# KiCad board prototype.kicad_pcb
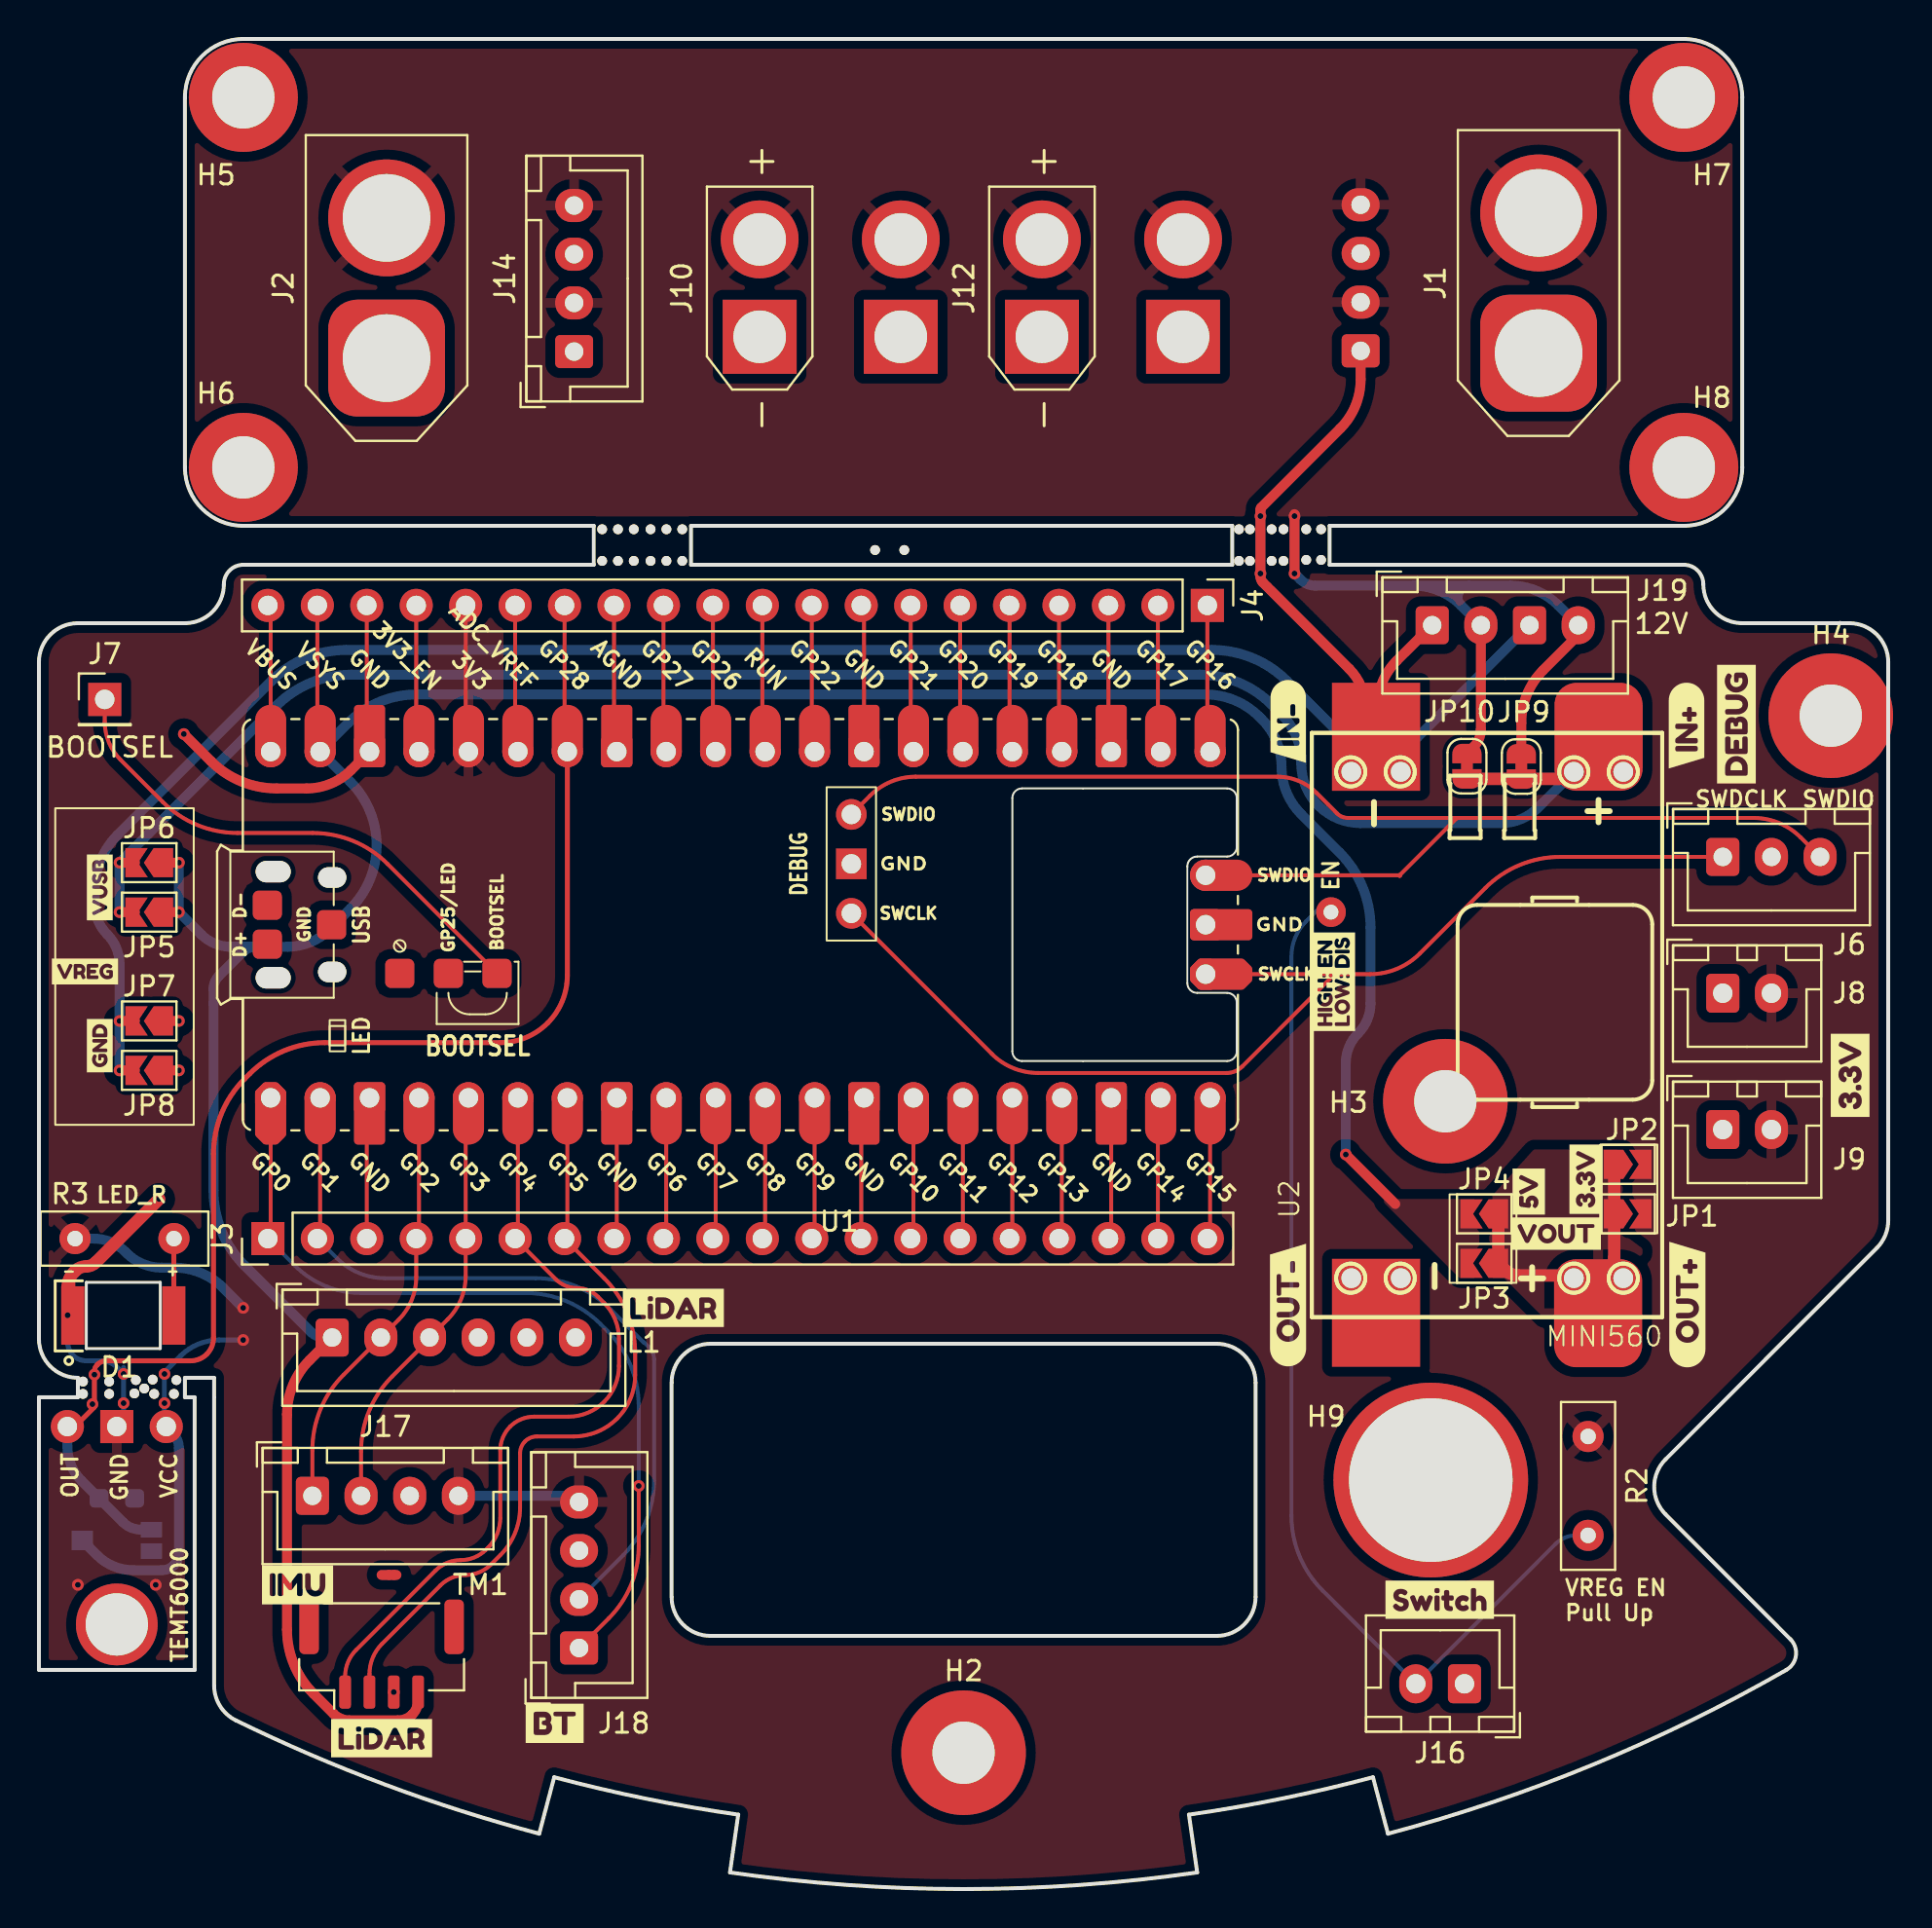
[diagram p0: board, top side]
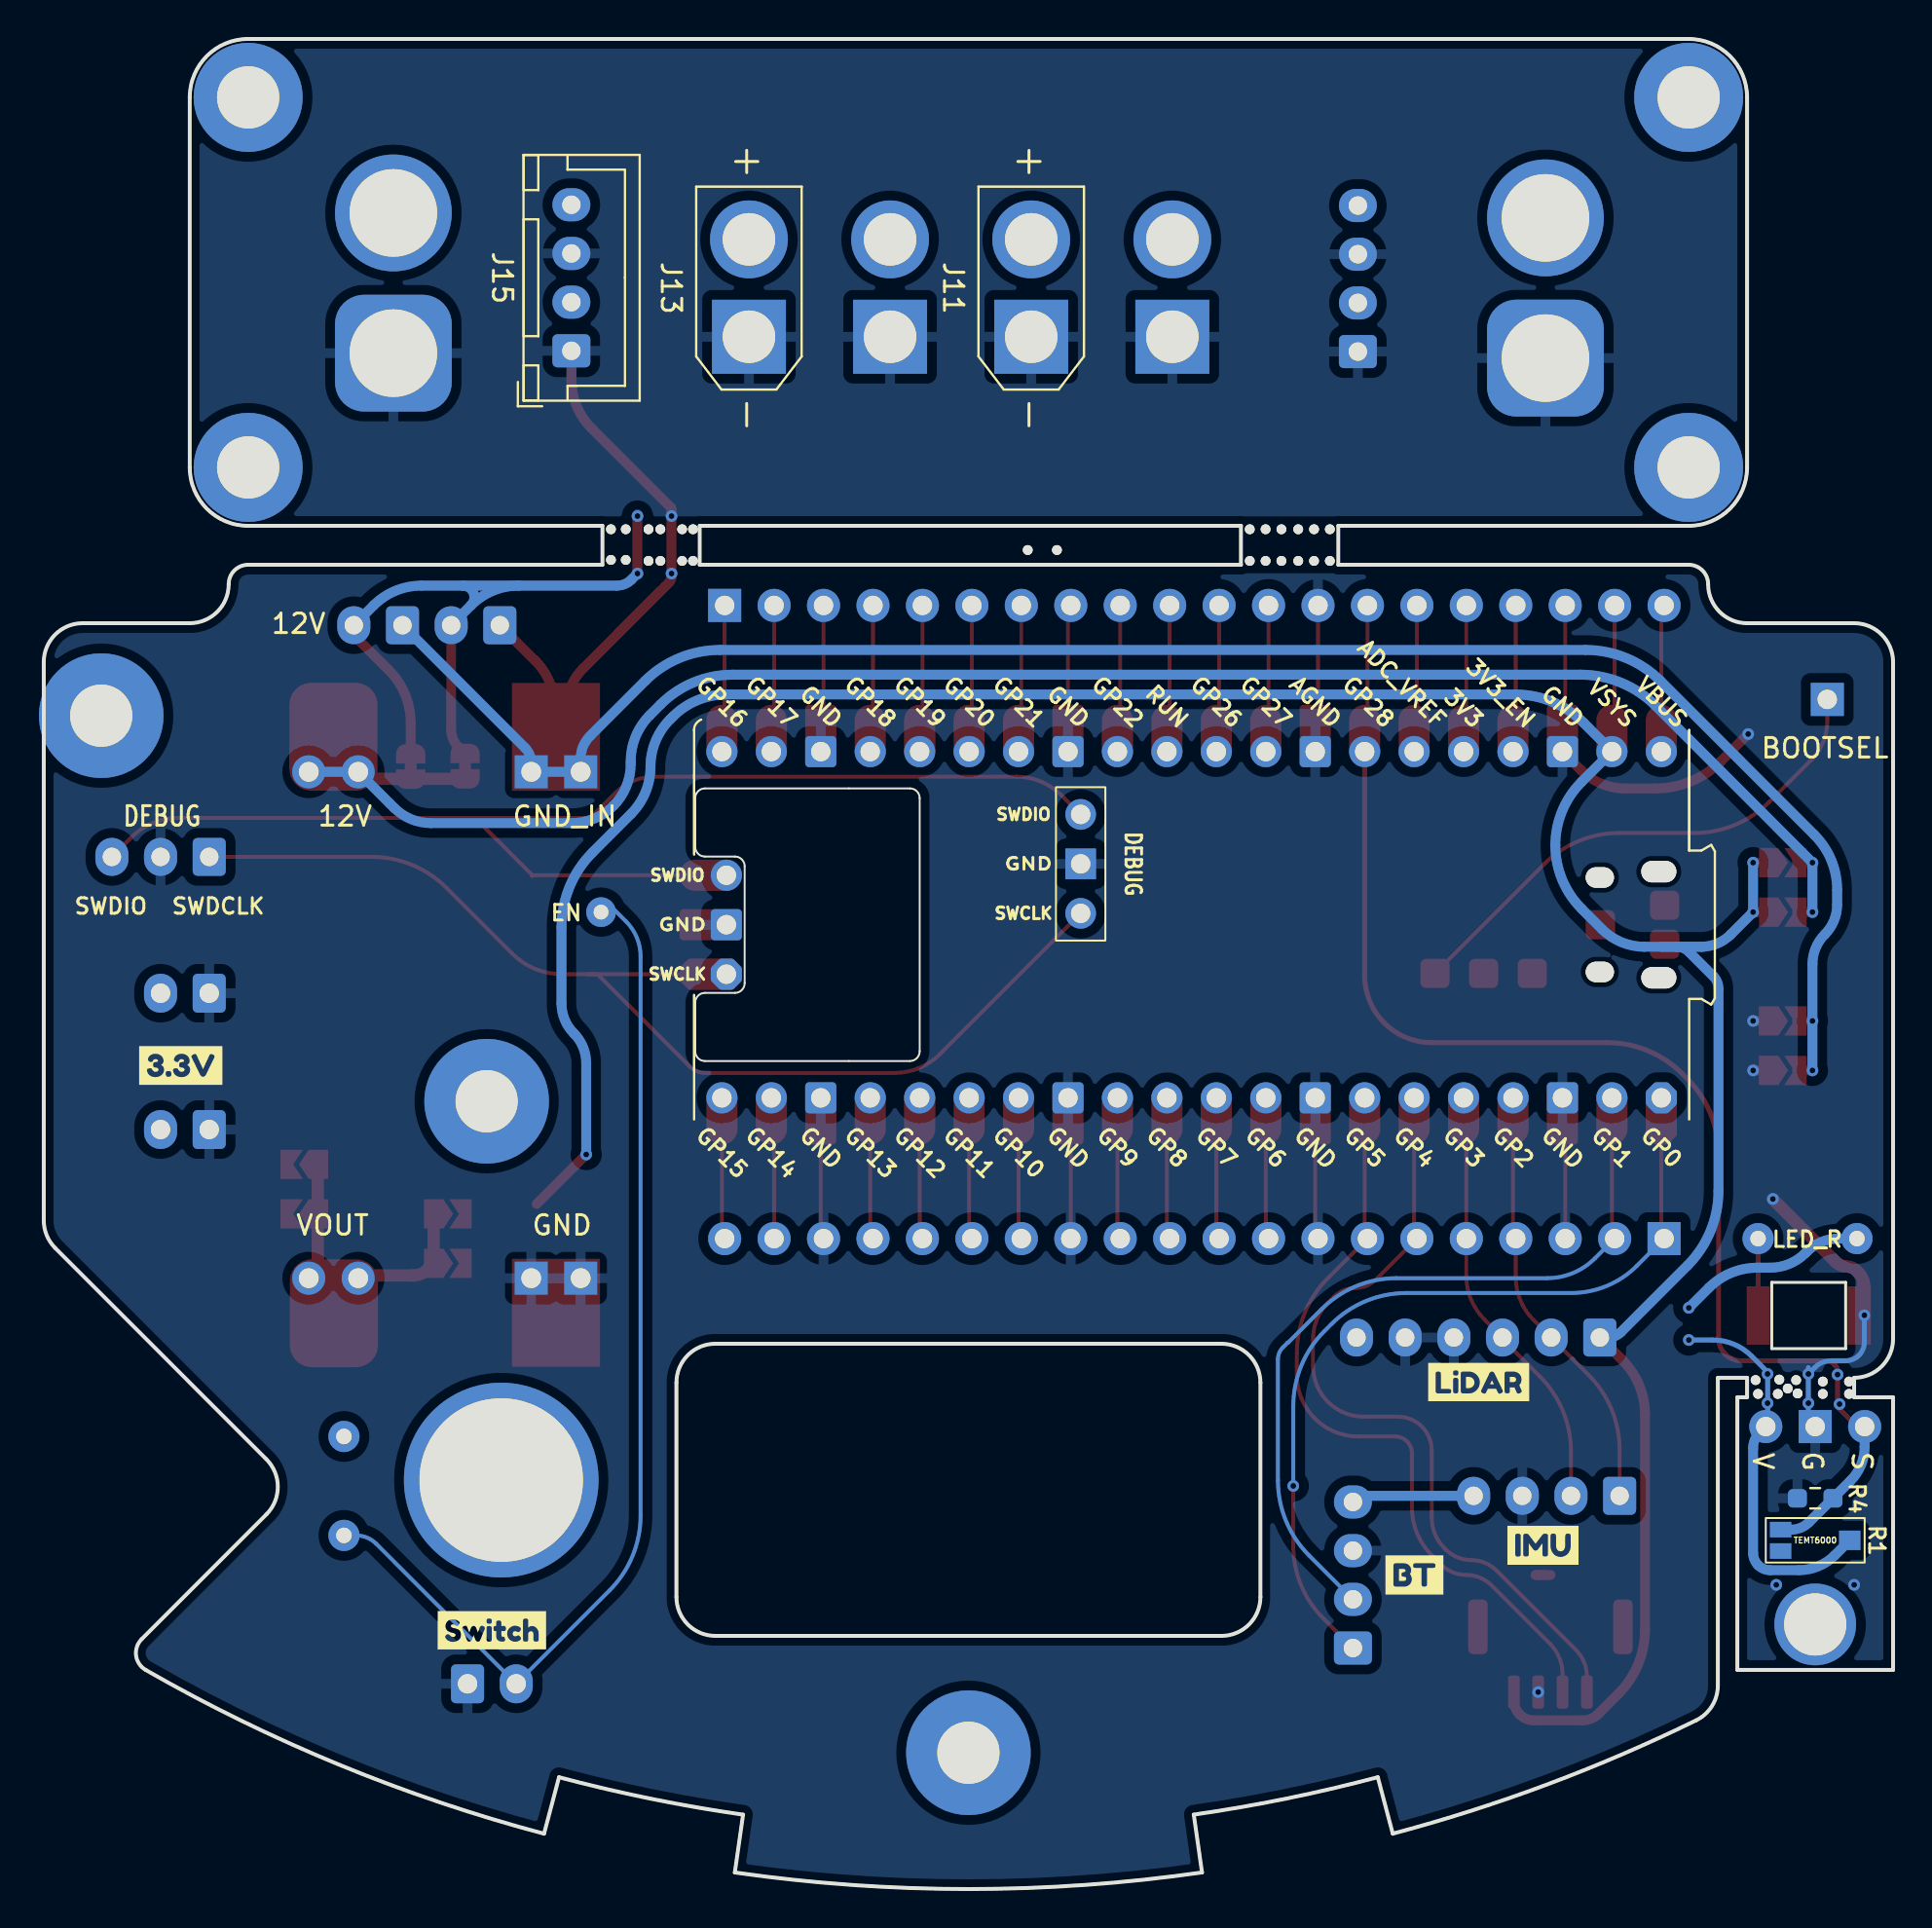
[diagram p1: board, bottom side, seen from below]

Outline 95 x 95 mm; copper layers: Top, Bottom. Coordinates in mm from the lower left corner of the outline.
Outline path: 0,63 0,28.26 arc(0.59,26.84) 2,26.25 2,25.25 0,25.25 0,11.25 8,11.25 8,25.25 7.5,25.25 7.5,26.25 9,26.25 9,10.45 arc(9.3,9.4) 10.12,8.66 arc(17.77,5.37) 25.7,2.84 26.47,5.74 arc(31.17,4.64) 35.92,3.82 35.5,0.85 arc(47.5,0) 59.5,0.85 59.08,3.82 arc(63.83,4.64) 68.53,5.74 69.3,2.84 arc(79.81,6.38) 89.76,11.25 arc(90.26,11.99) 89.97,12.83 83.56,19.24 arc(82.98,20.65) 83.57,22.07 94.42,32.92 arc(94.85,33.57) 95,34.33 95,63 arc(94.41,64.41) 93,65 87.5,65 arc(86.09,65.59) 85.5,67 arc(85.21,67.71) 84.5,68 66.3,68 66.3,70 84.5,70 arc(86.62,70.88) 87.5,73 87.5,92 arc(86.62,94.12) 84.5,95 10.5,95 arc(8.38,94.12) 7.5,92 7.5,73 arc(8.38,70.88) 10.5,70 28.5,70 28.5,68 10.5,68 arc(9.79,67.71) 9.5,67 arc(8.91,65.59) 7.5,65 2,65 arc(0.59,64.41) 0,63 ; 32.5,26 arc(33.09,27.41) 34.5,28 60.5,28 arc(61.91,27.41) 62.5,26 62.5,15 arc(61.91,13.59) 60.5,13 34.5,13 arc(33.09,13.59) 32.5,15 32.5,26 ; 33.5,70 33.5,68 61.3,68 61.3,70 33.5,70

## Placement (name value [footprint] x y rotation side)
D1  LED  [LED-6028]  1.74 29.45 0 top
H1  MountingHole-M3-6.4  [MountingHole_3.2mm_M3_Pad#2]  4 13.59 0 top
H2  MountingHole-M3-6.4  [MountingHole_3.2mm_M3_Pad]  47.5 7 0 top
H3  MountingHole-M3-6.4  [MountingHole_3.2mm_M3_Pad]  72.25 40.45 0 top
H4  MountingHole-M3-6.4  [MountingHole_3.2mm_M3_Pad]  92.05 60.25 0 top
H5  MountingHole-M3-5.6  [MountingHole_3.2mm_M3_DIN965_Pad]  10.5 92 0 top
H6  MountingHole-M3-5.6  [MountingHole_3.2mm_M3_DIN965_Pad]  10.5 73 0 top
H7  MountingHole-M3-5.6  [MountingHole_3.2mm_M3_DIN965_Pad]  84.5 92 0 top
H8  MountingHole-M3-5.6  [MountingHole_3.2mm_M3_DIN965_Pad]  84.5 73 0 top
H9  SwitchHole-M8  [MountingHole_8.4mm_M8_Pad]  71.5 21 0 top
J1  XT60  [AMASS_XT60-M_1x02_P7.20mm_Vertical]  77.04 78.87 90 top
J2  XT60  [AMASS_XT60-M_1x02_P7.20mm_Vertical]  17.86 78.61 90 top
J3  Conn_01x20_Pin  [PinHeader_1x20_P2.54mm_Vertical]  11.76 33.4 90 top
J4  Conn_01x20_Pin  [PinHeader_1x20_P2.54mm_Vertical]  60.02 65.91 270 top
J5  Conn_01x03_Pin  [PinHeader_1x03_P2.54mm_Vertical]  6.54 23.75 90 bottom
J6  JST_XH_3P  [JST_XH_B3B-XH-A_1x03_P2.50mm_Vertical]  86.5 53 0 top
J7  Conn_01x01_Pin  [PinHeader_1x01_P2.54mm_Vertical]  3.38 61.09 0 top
J8  JST_XH_01x02  [JST_XH_B2B-XH-A_1x02_P2.50mm_Vertical]  86.5 46 0 top
J9  JST_XH_01x02  [JST_XH_B2B-XH-A_1x02_P2.50mm_Vertical]  86.5 39 0 top
J10  XT30  [AMASS_XT30U-F_1x02_P5.0mm_Vertical]  37.02 79.71 90 top
J11  XT30  [AMASS_XT30U-F_1x02_P5.0mm_Vertical]  44.27 79.71 90 bottom
J12  XT30  [AMASS_XT30U-F_1x02_P5.0mm_Vertical]  51.52 79.71 90 top
J13  XT30  [AMASS_XT30U-F_1x02_P5.0mm_Vertical]  58.77 79.71 90 bottom
J14  JST_XH_4P  [JST_XH_B4B-XH-A_1x04_P2.50mm_Vertical#2]  27.49 78.95 90 top
J15  JST_XH_4P  [JST_XH_B4B-XH-A_1x04_P2.50mm_Vertical#2]  67.9 78.99 90 bottom
J16  Switch  [JST_XH_B2B-XH-A_1x02_P2.50mm_Vertical]  73.23 10.54 180 top
J17  IMU_JST_XH_4P  [JST_XH_B4B-XH-A_1x04_P2.50mm_Vertical#2]  14.05 20.19 0 top
J18  BT_UART  [JST_XH_B4B-XH-A_1x04_P2.50mm_Vertical#2]  27.75 12.38 90 top
J19  JST_XH_4P  [JST_XH_B4B-XH-A_1x04_P2.50mm_Vertical]  71.57 64.9 0 top
JP1  SolderJumper_2_Open  [SolderJumper-2_P1.3mm_Open_TrianglePad1.0x1.5mm]  81.61 34.67 0 top
JP2  SolderJumper_2_Open  [SolderJumper-2_P1.3mm_Open_TrianglePad1.0x1.5mm]  81.61 37.21 0 top
JP3  SolderJumper_2_Open  [SolderJumper-2_P1.3mm_Open_TrianglePad1.0x1.5mm]  74.25 32.13 180 top
JP4  SolderJumper_2_Open  [SolderJumper-2_P1.3mm_Open_TrianglePad1.0x1.5mm]  74.25 34.67 180 top
JP5  SolderJumper_2_Open  [SolderJumper-2_P1.3mm_Open_TrianglePad1.0x1.5mm]  5.67 50.16 180 top
JP6  SolderJumper_2_Open  [SolderJumper-2_P1.3mm_Open_TrianglePad1.0x1.5mm]  5.67 52.7 180 top
JP7  SolderJumper_2_Open  [SolderJumper-2_P1.3mm_Open_TrianglePad1.0x1.5mm]  5.67 44.58 180 top
JP8  SolderJumper_2_Open  [SolderJumper-2_P1.3mm_Open_TrianglePad1.0x1.5mm]  5.67 42.04 180 top
JP9  SolderJumper_2_Bridged  [SolderJumper-2_P1.3mm_Bridged_RoundedPad1.0x1.5mm]  76.15 57.64 270 top
JP10  SolderJumper_2_Bridged  [SolderJumper-2_P1.3mm_Bridged_RoundedPad1.0x1.5mm]  73.36 57.66 270 top
kibuzzard-663088A5  G***  [kibuzzard-663088A5]  32.59 29.84 0 top
kibuzzard-663088A5#2  G***  [kibuzzard-663088A5]  17.6 7.75 0 top
kibuzzard-663088A5#3  G***  [kibuzzard-663088A5]  21.29 26.03 180 bottom
kibuzzard-6630881A  G***  [kibuzzard-6630881A]  3.13 43.31 90 top
kibuzzard-6630888F  G***  [kibuzzard-6630888F]  26.49 8.51 0 top
kibuzzard-6630888F#2  G***  [kibuzzard-6630888F]  24.59 16.13 180 bottom
kibuzzard-6630893A  G***  [kibuzzard-6630893A]  93.04 41.78 90 top
kibuzzard-6630893A#2  G***  [kibuzzard-6630893A]  87.96 42.29 180 bottom
kibuzzard-6630897E  G***  [kibuzzard-6630897E]  71.96 14.86 0 top
kibuzzard-6630897E#2  G***  [kibuzzard-6630897E]  71.98 13.29 180 bottom
kibuzzard-6630900F  G***  [kibuzzard-6630900F]  76.53 35.81 90 top
kibuzzard-66308801  G***  [kibuzzard-66308801]  3.13 51.43 90 top
kibuzzard-66308831  G***  [kibuzzard-66308831]  2.36 47.12 0 top
kibuzzard-66308915  G***  [kibuzzard-66308915]  13.29 15.62 0 top
kibuzzard-66308915#2  G***  [kibuzzard-66308915]  17.99 17.65 180 bottom
kibuzzard-66308953  G***  [kibuzzard-66308953]  87.2 59.82 90 top
kibuzzard-66309001  G***  [kibuzzard-66309001]  77.93 33.65 0 top
kibuzzard-66309013  G***  [kibuzzard-66309013]  79.45 36.45 90 top
L1  TF-Luna  [JST_XH_B6B-XH-A_1x06_P2.50mm_Vertical]  15.06 28.32 0 top
M1  Mouse Hole  [Small Hole]  2.26 26.06 0 top
M3  Mouse Hole  [Small Hole]  3.61 26.06 0 top
M4  Mouse Hole  [Small Hole]  4.98 26.14 0 top
M5  Mouse Hole  [Small Hole]  5.41 25.7 0 top
M6  Mouse Hole  [Small Hole]  5.84 26.16 0 top
M7  Mouse Hole  [Small Hole]  7.06 26.14 0 top
M8  Mouse Hole  [Small Hole]  2.26 25.42 0 top
M10  Mouse Hole  [Small Hole]  3.61 25.42 0 top
M11  Mouse Hole  [Small Hole]  4.9 25.45 0 top
M13  Mouse Hole  [Small Hole]  5.92 25.42 0 top
M14  Mouse Hole  [Small Hole]  6.94 25.42 0 top
M15  Mouse Hole  [Small Hole]  28.93 69.82 90 top
M16  Mouse Hole  [Small Hole]  29.75 69.82 90 top
M17  Mouse Hole  [Small Hole]  30.56 69.82 90 top
M18  Mouse Hole  [Small Hole]  31.42 69.82 90 top
M19  Mouse Hole  [Small Hole]  32.23 69.82 90 top
M20  Mouse Hole  [Small Hole]  33.05 69.82 90 top
M21  Mouse Hole  [Small Hole]  28.93 68.2 90 top
M22  Mouse Hole  [Small Hole]  29.75 68.2 90 top
M23  Mouse Hole  [Small Hole]  30.56 68.2 90 top
M24  Mouse Hole  [Small Hole]  31.42 68.2 90 top
M25  Mouse Hole  [Small Hole]  32.23 68.2 90 top
M26  Mouse Hole  [Small Hole]  33.05 68.2 90 top
M27  Mouse Hole  [Small Hole]  42.95 68.76 90 top
M28  Mouse Hole  [Small Hole]  44.45 68.76 90 top
M29  Mouse Hole  [Small Hole]  61.65 69.82 90 top
M30  Mouse Hole  [Small Hole]  62.21 69.82 90 top
M31  Mouse Hole  [Small Hole]  63.32 69.82 90 top
M32  Mouse Hole  [Small Hole]  63.93 69.82 90 top
M33  Mouse Hole  [Small Hole]  65.1 69.82 90 top
M34  Mouse Hole  [Small Hole]  65.86 69.82 90 top
M35  Mouse Hole  [Small Hole]  61.65 68.2 90 top
M36  Mouse Hole  [Small Hole]  62.21 68.2 90 top
M37  Mouse Hole  [Small Hole]  63.32 68.2 90 top
M38  Mouse Hole  [Small Hole]  63.93 68.2 90 top
M39  Mouse Hole  [Small Hole]  65.1 68.25 90 top
M40  Mouse Hole  [Small Hole]  65.86 68.25 90 top
R1  TEMT6000  [TEMT6000-SMD]  4 17.91 180 bottom
R2  R  [R_Box_L8.4mm_W2.5mm_P5.08mm]  79.58 23.24 270 top
R3  R  [R_Box_L8.4mm_W2.5mm_P5.08mm]  1.86 33.4 0 top
R4  10k  [R_0603_1608Metric_Pad0.98x0.95mm_HandSolder]  4 20.06 0 bottom
TM1  TF-Mini-Plus  [JST_GH_BM04B-GHS-TBT_1x04-1MP_P1.25mm_Vertical]  17.6 12.06 0 top
U1  -  [Raspberry-Pi-Pico]  11.9 40.63 90 top
U2  ~  [MINI560]  67.39 31.37 90 top

## Library data of the parts
D1 = -: ki_fp_filters: LED* LED_SMD:* LED_THT:*
H1-H9 M1 M3-M8 M10 M11 M13-M40 = -: Description: Mounting Hole without connection; ki_fp_filters: MountingHole*
J1 J2 J10-J13 J16 = -: Description: Generic connector, single row, 01x02, script generated; ki_fp_filters: Connector*:*_1x??_*
J3 J4 = -: Description: Generic connector, single row, 01x20, script generated; ki_fp_filters: Connector*:*_1x??_*
J5 J6 = -: Description: Generic connector, single row, 01x03, script generated; ki_fp_filters: Connector*:*_1x??_*
J7 = -: Description: Generic connector, single row, 01x01, script generated; ki_fp_filters: Connector*:*_1x??_*
J8 J9 L1 = -: ki_fp_filters: Connector*:*_1x??_*
J14 J15 J17-J19 TM1 = -: Description: Generic connector, single row, 01x04, script generated; ki_fp_filters: Connector*:*_1x??_*
JP1-JP8 = -: Description: Solder Jumper, 2-pole, open; ki_fp_filters: SolderJumper*Open*
JP9 JP10 = -: Description: Solder Jumper, 2-pole, closed/bridged; ki_fp_filters: SolderJumper*Bridged*
R1 = -: Description: Photoresistor; ki_fp_filters: *LDR* R?LDR*
R2-R4 = -: Description: Resistor; ki_fp_filters: R_*

## Footprints (pads in the part's own frame, mm; a bottom-side part is the same pattern mirrored in y, then rotated)
AMASS_XT30U-F_1x02_P5.0mm_Vertical
  rect 3.8x3.8 hole 2.7: 1(0,0)
  round 4 hole 2.7: 2(5,0)
AMASS_XT60-M_1x02_P7.20mm_Vertical
  rrect 6x6 hole 4.5: 1(0,0)
  round 6 hole 4.5: 2(7.2,0)
JST_GH_BM04B-GHS-TBT_1x04-1MP_P1.25mm_Vertical
  rrect 0.6x1.7 smd: 1(-1.875,-1.95) 2(-0.625,-1.95) 3(0.625,-1.95) 4(1.875,-1.95)
  rrect 1x2.8 smd: MP(-3.725,1.4) MP(3.725,1.4)
JST_XH_B2B-XH-A_1x02_P2.50mm_Vertical
  rrect 1.7x2 hole 1: 1(0,0)
  oval 1.7x2 hole 1: 2(2.5,0)
JST_XH_B3B-XH-A_1x03_P2.50mm_Vertical
  rrect 1.7x1.95 hole 0.95: 1(0,0)
  oval 1.7x1.95 hole 0.95: 2(2.5,0) 3(5,0)
JST_XH_B4B-XH-A_1x04_P2.50mm_Vertical
  rrect 1.7x1.95 hole 0.95: 1(0,0) 3(5,0)
  oval 1.7x1.95 hole 0.95: 2(2.5,0) 4(7.5,0)
JST_XH_B4B-XH-A_1x04_P2.50mm_Vertical#2
  rrect 1.7x1.95 hole 0.95: 1(0,0)
  oval 1.7x1.95 hole 0.95: 2(2.5,0) 3(5,0) 4(7.5,0)
JST_XH_B6B-XH-A_1x06_P2.50mm_Vertical
  rrect 1.7x1.95 hole 0.95: 1(0,0)
  oval 1.7x1.95 hole 0.95: 2(2.5,0) 3(5,0) 4(7.5,0) 5(10,0) 6(12.5,0)
LED-6028
  rect 1.19x3 smd: 1(0,0) 2(5.19,0)
MINI560
  rect 5.544x4.528 smd: 1(-1.778,-1.3) 4(27.8,-1.3)
  rect 1.7x1.7 hole 1.02: 1(0,-0.03) 1(0,-2.57) 4(26,-0.03) 4(26,-2.57)
  rrect 5.544x4.528 smd: 2(-1.8,-12.708) 3(27.8,-12.73)
  round 1.7 hole 1.02: 2(0,-11.46) 2(0,-14) 3(26,-11.46) 3(26,-14)
  round 1.524 hole 0.762: 5(18.796,1.016)
MountingHole_3.2mm_M3_DIN965_Pad
  round 5.6 hole 3.2: 1(0,0)
MountingHole_3.2mm_M3_Pad
  round 6.4 hole 3.2: 1(0,0)
MountingHole_3.2mm_M3_Pad#2
  round 4.2 hole 3.2: 1(0,0)
MountingHole_8.4mm_M8_Pad
  round 10 hole 8.4: 1(0,0)
PinHeader_1x01_P2.54mm_Vertical
  rect 1.7x1.7 hole 1: 1(0,0)
PinHeader_1x03_P2.54mm_Vertical
  round 1.7 hole 1: 1(0,0)
  rect 1.7x1.7 hole 1: 2(0,-2.54)
  oval 1.7x1.7 hole 1: 3(0,-5.08)
PinHeader_1x20_P2.54mm_Vertical
  rect 1.7x1.7 hole 1: 1(0,0)
  oval 1.7x1.7 hole 1: 2(0,-2.54) 3(0,-5.08) 4(0,-7.62) 5(0,-10.16) 6(0,-12.7) 7(0,-15.24) 8(0,-17.78) 9(0,-20.32) 10(0,-22.86) 11(0,-25.4) 12(0,-27.94) 13(0,-30.48) 14(0,-33.02) 15(0,-35.56) 16(0,-38.1) 17(0,-40.64) 18(0,-43.18) 19(0,-45.72) 20(0,-48.26)
R_0603_1608Metric_Pad0.98x0.95mm_HandSolder
  rrect 0.975x0.95 smd: 1(-0.912,0) 2(0.912,0)
R_Box_L8.4mm_W2.5mm_P5.08mm
  round 1.6 hole 0.8: 1(0,0) 2(5.08,0)
Raspberry-Pi-Pico
  oval 1.1x1.8 hole 1.1x1.8 unplated: (6.165,-0.13) (11.615,-0.13)
  oval 1.05x1.45 hole 1.05x1.45 unplated: (6.465,-3.16) (11.315,-3.16)
  custom 3.2x1.6 smd: 1(-1.6,0)
  custom 1.6x1.6 hole 1: 1(0,0) 41(6.35,-48.03)
  oval 3.2x1.6 smd: 2(-1.6,-2.54) 4(-1.6,-7.62) 5(-1.6,-10.16) 6(-1.6,-12.7) 7(-1.6,-15.24) 9(-1.6,-20.32) 10(-1.6,-22.86) 11(-1.6,-25.4) 12(-1.6,-27.94) 14(-1.6,-33.02) 15(-1.6,-35.56) 16(-1.6,-38.1) 17(-1.6,-40.64) 19(-1.6,-45.72) 20(-1.6,-48.26) 21(19.38,-48.26) 22(19.38,-45.72) 24(19.38,-40.64) 25(19.38,-38.1) 26(19.38,-35.56) 27(19.38,-33.02) 29(19.38,-27.94) 30(19.38,-25.4) 31(19.38,-22.86) 32(19.38,-20.32) 34(19.38,-15.24) 35(19.38,-12.7) 36(19.38,-10.16) 37(19.38,-7.62) 39(19.38,-2.54) 40(19.38,0)
  round 1.6 hole 1: 2(0,-2.54) 4(0,-7.62) 5(0,-10.16) 6(0,-12.7) 7(0,-15.24) 9(0,-20.32) 10(0,-22.86) 11(0,-25.4) 12(0,-27.94) 14(0,-33.02) 15(0,-35.56) 16(0,-38.1) 17(0,-40.64) 19(0,-45.72) 20(0,-48.26) 21(17.78,-48.26) 22(17.78,-45.72) 24(17.78,-40.64) 25(17.78,-38.1) 26(17.78,-35.56) 27(17.78,-33.02) 29(17.78,-27.94) 30(17.78,-25.4) 31(17.78,-22.86) 32(17.78,-20.32) 34(17.78,-15.24) 35(17.78,-12.7) 36(17.78,-10.16) 37(17.78,-7.62) 39(17.78,-2.54) 40(17.78,0) 43(11.43,-48.03)
  rrect 3.2x1.6 smd: 3(-1.6,-5.08) 8(-1.6,-17.78) 13(-1.6,-30.48) 18(-1.6,-43.18) 23(19.38,-43.18) 28(19.38,-30.48) 33(19.38,-17.78) 38(19.38,-5.08)
  rrect 1.6x1.6 hole 1: 3(0,-5.08) 8(0,-17.78) 13(0,-30.48) 18(0,-43.18) 23(17.78,-43.18) 28(17.78,-30.48) 33(17.78,-17.78) 38(17.78,-5.08) 42(8.89,-48.03)
  custom 1.6x3.2 smd: 41(6.35,-49.63)
  round 1.575 hole 1: 41(9.474,-29.83) 43(14.554,-29.83)
  rrect 1.6x3.2 smd: 42(8.89,-49.63)
  rect 1.575x1.575 hole 1: 42(12.014,-29.83)
  oval 1.6x3.2 smd: 43(11.43,-49.63)
  rrect 1.5x1.5 smd: 51(8.89,-3.13) 52(9.89,0.17) 53(7.89,0.17) 54(6.39,-6.63) 55(6.39,-9.13) 56(6.39,-11.63)
Small Hole
  round 0.5 hole 0.5 unplated: (0,0)
SolderJumper-2_P1.3mm_Bridged_RoundedPad1.0x1.5mm
  custom 1x1.5 smd: 1(-0.65,0) 2(0.65,0)
SolderJumper-2_P1.3mm_Open_TrianglePad1.0x1.5mm
  custom 1.5x1.5 smd: 1(-0.725,0)
  custom 1.15x1.5 smd: 2(0.725,0)
TEMT6000-SMD
  rect 1.1x0.8 smd: (-1.775,-0.55) 1(-1.775,0.55)
  rect 1.1x1 smd: 2(1.775,0)

## Nets
+12V: J1.2 J2.2 J10.2 J11.2 J12.2 J13.2 J14.2 J14.4 J15.2 J15.4 J19.2 J19.4 JP9.1 JP10.1
GND: D1.1 J3.3 J3.8 J3.13 J3.18 J4.3 J4.8 J4.13 J4.18 J5.2 J6.2 J8.1 J9.1 J16.1 J17.3 J18.3 JP7.1 JP8.1 L1.4 L1.5 R4.2 TM1.3 U1.3 U1.8 U1.13 U1.18 U1.23 U1.28 U1.33 U1.38 U1.42 U2.1
GND1: J1.1 J2.1 J10.1 J11.1 J12.1 J13.1 J14.1 J14.3 J15.1 J15.3 J19.1 J19.3 JP7.2 JP8.2 U2.4
I2C0_SCL: J3.7 TM1.2 U1.7
I2C0_SDA: J3.6 TM1.1 U1.6
I2C1_SCL: J3.5 J17.2 L1.3 U1.5
I2C1_SDA: J3.4 J17.1 L1.2 U1.4
RX0: J3.2 J18.2 U1.2
RX1: J3.12 U1.12
TEMT1: J4.14 J5.3 R1.1 R4.1 U1.34
TX0: J3.1 J18.1 U1.1
TX1: J3.11 U1.11
V_LED: D1.2 R3.2
V_TEMT: J4.16 J5.1 J8.2 J9.2 J17.4 J18.4 JP1.2 JP2.2 R1.2 R2.1 R3.1 U1.36
VREG_EN: J16.2 R2.2 U2.5
VREG_IN: JP5.2 JP6.2 JP9.2 JP10.2 U2.3
VUSB: J4.19 JP3.2 JP4.2 JP5.1 JP6.1 L1.1 TM1.4 U1.39
Net-(J3-Pin_9): J3.9 U1.9
Net-(J3-Pin_10): J3.10 U1.10
Net-(J3-Pin_14): J3.14 U1.14
Net-(J3-Pin_15): J3.15 U1.15
Net-(J3-Pin_16): J3.16 U1.16
Net-(J3-Pin_17): J3.17 U1.17
Net-(J3-Pin_19): J3.19 U1.19
Net-(J3-Pin_20): J3.20 U1.20
Net-(J4-Pin_1): J4.1 U1.21
Net-(J4-Pin_2): J4.2 U1.22
Net-(J4-Pin_4): J4.4 U1.24
Net-(J4-Pin_5): J4.5 U1.25
Net-(J4-Pin_6): J4.6 U1.26
Net-(J4-Pin_7): J4.7 U1.27
Net-(J4-Pin_9): J4.9 U1.29
Net-(J4-Pin_10): J4.10 U1.30
Net-(J4-Pin_11): J4.11 U1.31
Net-(J4-Pin_12): J4.12 U1.32
Net-(J4-Pin_15): J4.15 U1.35
Net-(J4-Pin_17): J4.17 U1.37
Net-(J4-Pin_20): J4.20 U1.40
Net-(J6-Pin_1): J6.1 U1.41
Net-(J6-Pin_3): J6.3 U1.43
Net-(J7-Pin_1): J7.1 U1.56
Net-(JP1-A): JP1.1 JP2.1 JP3.1 JP4.1 U2.2

Pads without a net: H1 1; H2 1; H3 1; H4 1; H5 1; H6 1; H7 1; H8 1; H9 1; L1 6; TM1 MP; U1 51 52 53 54 55

## Via types
v1: diameter 0.6, hole 0.3, Top to Bottom, 28 vias

## Routing (per net, layer and track width the routed paths; a pad name or vN(x,y) marks a point on that pad's centre or on a via; arc(x,y) is an arc through that point)
+12V: length 38.5
  Top w0.508: J19.4 79.07,64.64 arc(79.03,64.41) 78.89,64.21 77.27,62.59 arc(76.44,61.35) 76.15,59.88 JP9.1 ; JP10.1 73.71,58.66 arc(73.98,59.06) 74.07,59.53 J19.2 ; 64.5,70.6 v1(64.5,70.5) v1(64.5,67.55)
  Bottom w0.508: 73.06,65.91 J19.2 ; 73.06,65.91 arc(71.93,66.66) 70.6,66.93 ; 73.06,65.91 arc(72.93,66.56) 73.48,66.93 ; 70.6,66.93 65.56,66.93 arc(65.16,67.01) 64.81,67.24 v1(64.5,67.55) ; 70.6,66.93 73.48,66.93 ; 73.48,66.93 75.6,66.93 arc(76.93,66.66) 78.06,65.91 J19.4
GND: length 88.6
  Top w0.2: 61.19,49.52 U1.42 ; J4.8 42.31,65.84 arc(42.37,65.76) 42.38,65.67 U1.28 ; J4.18 16.84,58.65 arc(16.86,58.56) 16.91,58.48 arc(16.94,58.41) 16.91,58.34 ; U1.33 29.61,58.48 arc(29.56,58.56) 29.54,58.65 J4.13 ; J3.18 55.01,33.47 arc(55.07,33.55) 55.08,33.64 U1.18 ; U1.3 16.91,38.96 arc(16.86,38.88) 16.84,38.78 J3.3 ; J4.3 54.94,58.65 arc(54.96,58.56) 55.01,58.48 U1.23 ; U1.13 42.31,38.96 arc(42.26,38.88) 42.24,38.78 J3.13 ; U1.8 29.68,33.64 arc(29.67,33.55) 29.61,33.47 J3.8
  Top w0.254: D1.1 1.74,31.34
  Top w0.508: v1(7.19,42.04) JP8.1 ; v1(7.44,59.31) 8.84,57.91 arc(10.39,56.88) 12.21,56.51 13.75,56.51 arc(14.99,56.76) 16.04,57.46 16.91,58.34 ; v1(7.19,44.58) JP7.1
  Top w0.635: v1(6.17,35.43) 2.93,32.19 arc(2.69,32.03) 2.4,31.97 arc(2.12,31.91) 1.88,31.75 1.79,31.66 arc(1.56,31.32) 1.48,30.91 v1(1.48,29.46)
  Bottom w0.254: 4.53,24.28 4.18,23.92 arc(4.31,24.12) 4.35,24.35 4.35,24.95 arc(4.35,24.95) v1(4.35,24.95) arc(4.35,24.95) 4.35,24.95 4.35,26.45 arc(4.35,26.45) v1(4.35,26.45) ; v1(4.35,26.45) 4.01,26.79 arc(3.64,27.04) 3.2,27.12 2.43,27.12 arc(2.07,27.2) 1.76,27.41 arc(1.55,27.72) 1.48,28.08 v1(1.48,29.46) ; v1(4.35,26.45) arc(4.35,26.45) 4.35,26.45 4.35,26.78
  vias: v1(2,15.62) v1(6,15.62) v1(18.23,10.11)
GND1: length 127.8
  Top w0.508: v1(4.14,42.04) 4.93,42.04 ; J19.3 76.57,65.38 ; 68.76,59.31 68.76,60.7 arc(69.02,61.98) 69.75,63.07 71.55,64.87 arc(71.57,64.9) 71.57,64.93 71.57,64.96 ; J15.1 67.9,77.52 arc(67.63,76.16) 66.86,75.01 62.79,70.94 arc(62.76,70.9) 62.75,70.85 v1(62.75,70.5) v1(62.75,67.55) 62.75,67.38 arc(62.78,67.23) 62.87,67.1 67.31,62.66 arc(67.93,61.73) 68.15,60.63 68.15,59.44 ; v1(4.14,44.58) 4.93,44.58
  Bottom w0.508: J19.3 70.28,58.61 arc(70.04,58.25) 69.96,57.83 arc(69.82,57.5) 69.5,57.37 U2.4 67.42,58.05 arc(67.29,58.67) 66.94,59.21 64.11,62.03 arc(62.35,63.21) 60.26,63.63 15.79,63.63 arc(13.71,63.21) 11.95,62.03 4.04,54.13 arc(3.18,52.83) 2.87,51.31 2.87,50.55 arc(3.04,49.72) 3.51,49.02 arc(3.98,48.32) 4.14,47.49 v1(4.14,44.58) v1(4.14,42.04)
(no net): length 0.8
  Top w0.508: 17.6,16.13 18.37,16.13
I2C0_SCL: length 39.7
  Top w0.2: U1.7 27.14,33.64 arc(27.13,33.55) 27.07,33.47 arc(27.04,33.4) 27.07,33.33 29.03,31.37 arc(30.21,29.6) 30.63,27.52 30.63,26.4 arc(30.39,25.19) 29.7,24.16 arc(28.68,23.48) 27.47,23.24 25.58,23.24 arc(25.25,23.17) 24.97,22.99 arc(24.78,22.7) 24.72,22.37 24.72,19.6 arc(24.45,18.27) 23.7,17.14 23.22,16.67 arc(22.63,16.27) 21.92,16.13 arc(21.22,15.99) 20.62,15.59 17.63,12.6 arc(17.15,11.88) 16.98,11.03 TM1.2
I2C0_SDA: length 41.3
  Top w0.2: TM1.1 15.73,10.91 arc(15.88,11.65) 16.29,12.28 20.37,16.35 arc(20.96,16.75) 21.67,16.89 arc(22.37,17.03) 22.97,17.43 23.07,17.53 arc(23.53,18.23) 23.7,19.06 23.7,22.52 arc(23.83,23.19) 24.21,23.75 arc(24.77,24.12) 25.43,24.26 27.19,24.26 arc(28.19,24.45) 29.03,25.02 arc(29.6,25.86) 29.8,26.86 29.8,28.26 arc(29.6,29.25) 29.03,30.1 28.72,30.41 arc(28.22,30.74) 27.64,30.86 arc(27.05,30.98) 26.55,31.31 24.53,33.33 arc(24.5,33.4) 24.53,33.47 arc(24.59,33.55) 24.6,33.64 U1.6
I2C1_SCL: length 20.7
  Top w0.2: U1.5 21.99,38.96 arc(21.94,38.88) 21.92,38.78 J3.5 21.92,31.49 arc(21.68,30.28) 20.99,29.25 20.09,28.35 arc(20.07,28.32) 20.06,28.28 arc(20.06,28.24) 20.04,28.21 18.14,26.32 arc(16.96,24.55) 16.55,22.47 J17.2
I2C1_SDA: length 22.3
  Top w0.2: J17.1 14.05,22.55 arc(14.46,24.63) 15.64,26.4 L1.2 18.47,29.23 arc(19.15,30.24) 19.38,31.42 19.38,33.3 arc(19.4,33.39) 19.45,33.47 arc(19.51,33.55) 19.52,33.64 U1.4
RX0: length 40.6
  Top w0.2: U1.2 14.44,33.64 arc(14.43,33.55) 14.37,33.47 J3.2
  Bottom w0.2: J3.2 15.32,32.38 arc(16.44,31.63) 17.77,31.37 25.51,31.37 arc(27.59,30.95) 29.36,29.77 31.06,28.08 arc(31.07,28.07) 31.08,28.07 arc(31.09,28.06) 31.1,28.06 31.35,27.81 arc(31.53,27.53) 31.6,27.2 31.6,20.99 arc(31.19,18.9) 30.01,17.14 J18.2
RX1: length 7.3
  Top w0.2: J3.12 39.77,33.47 arc(39.83,33.55) 39.84,33.64 U1.12
TEMT1: length 68.6
  Top w0.2: 27.14,60.01 27.07,60.08 arc(27.02,60.16) 27,60.25 J4.14
  Top w0.254: U1.34 27.14,46.91 arc(26.88,45.59) 26.14,44.47 arc(25.02,43.72) 23.7,43.46 14.68,43.46 arc(12.6,43.05) 10.83,41.87 10.56,41.6 arc(9.38,39.83) 8.97,37.75 8.97,28.3 arc(8.88,27.85) 8.62,27.47 arc(8.24,27.21) 7.8,27.12 3.45,27.12 arc(3.22,27.08) 3.03,26.95 2.98,26.9 arc(2.88,26.76) 2.85,26.6 v1(2.85,26.42) 2.85,25.07 arc(2.84,25.01) 2.8,24.95 v1(2.75,24.9) 2.83,24.82 arc(2.85,24.8) 2.85,24.78 arc(2.85,24.75) 2.83,24.73 1.99,23.89 arc(1.83,23.78) 1.65,23.75 J5.3
  Bottom w0.508: J5.3 1.46,22.72 arc(1.65,21.77) 2.19,20.97 R4.1 4.32,18.84 arc(4.74,18.56) 5.24,18.46 R1.1
TX0: length 44
  Top w0.2: J3.1 11.83,33.47 arc(11.89,33.55) 11.9,33.64 U1.1 ; J18.1 29.28,13.91 arc(30.41,15.61) 30.81,17.61 v1(30.81,20.7)
  Bottom w0.2: v1(30.81,20.7) 30.81,24.8 arc(30.4,26.88) 29.22,28.64 28.85,29.01 arc(27.08,30.19) 25,30.61 16.53,30.61 arc(14.71,30.97) 13.16,32 J3.1
TX1: length 7.3
  Top w0.2: U1.11 37.3,33.64 arc(37.29,33.55) 37.23,33.47 J3.11
V_LED: length 3.9
  Top w0.254: D1.2 6.93,32.88 arc(6.93,32.89) 6.93,32.89 arc(6.94,32.89) 6.94,32.9 R3.2
V_TEMT: length 43.8
  Top w0.2: U1.36 21.99,58.48 arc(21.94,58.56) 21.92,58.65 J4.16
  Bottom w0.254: 6.59,23.7 6.49,23.8 arc(6.45,23.85) 6.44,23.92 6.44,24.94 arc(6.44,24.94) 6.45,24.95 v1(6.45,24.95) 6.45,24.95 arc(6.44,24.96) 6.44,24.96 6.44,26.44 arc(6.44,26.44) 6.45,26.45 v1(6.45,26.45) 6.45,26.45 arc(6.44,26.46) 6.44,26.46 6.44,26.5 arc(6.45,26.54) 6.47,26.57 7.27,27.37 arc(8.18,27.98) 9.26,28.19 v1(10.49,28.19)
  Bottom w0.508: J18.4 27.59,20.03 arc(27.42,20.15) 27.21,20.19 J17.4 ; R3.1 2.81,33.4 arc(3.69,33.22) 4.43,32.73 4.51,32.65 arc(5.34,32.1) 6.31,31.91 6.97,31.91 arc(8.32,31.64) 9.46,30.88 v1(10.49,29.84) ; R1.2 2.99,17.14 arc(3.84,16.57) 4.84,16.37 6.31,16.37 arc(6.65,16.44) 6.93,16.63 arc(7.12,16.92) 7.19,17.25 7.19,22.64 arc(7.11,23.06) 6.87,23.42 6.59,23.7
VREG_EN: length 54.8
  Bottom w0.2: R2.2 78.97,18.16 arc(78.4,18.05) 77.92,17.73 J16.2 65.93,15.34 arc(64.75,17.1) 64.34,19.18 64.34,47.88 arc(64.53,48.86) 65.09,49.68 65.83,50.43
VREG_IN: length 96
  Top w0.508: v1(4.14,50.16) 4.93,50.16 ; v1(4.14,52.7) 4.93,52.7
  Top w0.635: 73.36,57.01 78.07,57.01 arc(78.4,57.07) 78.67,57.26 78.92,57.51
  Bottom w0.508: v1(4.14,50.16) v1(4.14,52.7) 12.2,60.76 arc(13.97,61.94) 16.05,62.36 59.62,62.36 arc(61.62,61.96) 63.32,60.82 63.87,60.28 arc(64.59,59.19) 64.85,57.9 64.85,57.77 arc(65.08,56.61) 65.74,55.62 arc(66.72,54.97) 67.88,54.74 75.12,54.74 arc(76.13,54.94) 76.99,55.51 U2.3 U2.3
VUSB: length 161.8
  Top w0.2: J4.19 14.3,58.65 arc(14.32,58.56) 14.37,58.48 U1.39
  Top w0.508: v1(7.19,50.16) JP5.1 ; v1(7.19,52.7) JP6.1 ; 19.48,9.68 19.48,9.9 19.48,9.69 arc(19.4,9.3) 19.18,8.96 arc(18.84,8.74) 18.45,8.66 15.96,8.66 arc(15.51,8.75) 15.13,9.01 14.11,10.03 arc(13.1,11.54) 12.74,13.32 12.74,24.36 arc(13.05,25.88) 13.9,27.16 L1.1 ; v1(67.13,37.72) 69.67,35.18
  Bottom w0.508: 11.89,48.39 11.13,48.39 ; 11.89,48.39 12.78,48.39 arc(13.95,48.62) 14.95,49.28 16,50.34 arc(17,51.83) 17.35,53.59 arc(17,55.36) 16,56.85 14.45,58.4 arc(14.45,58.41) 14.44,58.42 arc(14.45,58.43) 14.45,58.44 15.9,59.89 arc(17.51,60.96) 19.4,61.34 59.93,61.34 arc(61.42,61.04) 62.69,60.2 62.83,60.06 arc(63.57,58.95) 63.83,57.63 arc(64.09,56.31) 64.84,55.2 66.81,53.23 arc(67.99,51.46) 68.4,49.38 68.4,45.47 arc(68.24,44.64) 67.77,43.94 arc(67.3,43.24) 67.13,42.41 v1(67.13,37.72) ; 11.89,48.39 11.13,48.39 ; 11.13,48.39 10.37,48.39 ; 11.13,48.39 9.73,48.39 ; 11.13,48.39 arc(10.78,48.32) 10.48,48.12 ; 10.37,48.39 9.86,48.39 arc(9.04,48.55) 8.34,49.01 v1(7.19,50.16) v1(7.19,52.7) ; 10.37,48.39 arc(10.51,48.29) 10.48,48.12 ; L1.1 14.66,28.32 arc(14.29,28.39) 13.97,28.6 10.56,32.02 arc(9.38,33.78) 8.97,35.86 8.97,46.23 arc(9.04,46.58) 9.24,46.88 10.48,48.12
Net-(J3-Pin_9): length 7.3
  Top w0.2: U1.9 32.22,33.64 arc(32.21,33.55) 32.15,33.47 J3.9
Net-(J3-Pin_10): length 7.3
  Top w0.2: J3.10 34.69,33.47 arc(34.75,33.55) 34.76,33.64 U1.10
Net-(J3-Pin_14): length 7.3
  Top w0.2: J3.14 44.85,33.47 arc(44.91,33.55) 44.92,33.64 U1.14
Net-(J3-Pin_15): length 7.3
  Top w0.2: J3.15 47.39,33.47 arc(47.45,33.55) 47.46,33.64 U1.15
Net-(J3-Pin_16): length 7.3
  Top w0.2: U1.16 50,33.64 arc(49.99,33.55) 49.93,33.47 J3.16
Net-(J3-Pin_17): length 7.3
  Top w0.2: U1.17 52.54,33.64 arc(52.53,33.55) 52.47,33.47 J3.17
Net-(J3-Pin_19): length 5.7
  Top w0.2: U1.19 57.55,38.96 arc(57.5,38.88) 57.48,38.78 J3.19
Net-(J3-Pin_20): length 7.3
  Top w0.2: U1.20 60.16,33.64 arc(60.15,33.55) 60.09,33.47 J3.20
Net-(J4-Pin_1): length 7.6
  Top w0.2: J4.1 60.02,58.65 arc(60.04,58.56) 60.09,58.48 U1.21
Net-(J4-Pin_2): length 7.6
  Top w0.2: U1.22 57.55,58.48 arc(57.5,58.56) 57.48,58.65 J4.2
Net-(J4-Pin_4): length 7.6
  Top w0.2: U1.24 52.47,58.48 arc(52.42,58.56) 52.4,58.65 J4.4
Net-(J4-Pin_5): length 7.6
  Top w0.2: J4.5 49.86,58.65 arc(49.88,58.56) 49.93,58.48 U1.25
Net-(J4-Pin_6): length 7.6
  Top w0.2: U1.26 47.39,58.48 arc(47.34,58.56) 47.32,58.65 J4.6
Net-(J4-Pin_7): length 7.6
  Top w0.2: U1.27 44.85,58.48 arc(44.8,58.56) 44.78,58.65 J4.7
Net-(J4-Pin_9): length 7.6
  Top w0.2: U1.29 39.77,58.48 arc(39.72,58.56) 39.7,58.65 J4.9
Net-(J4-Pin_10): length 7.6
  Top w0.2: J4.10 37.16,58.65 arc(37.18,58.56) 37.23,58.48 U1.30
Net-(J4-Pin_11): length 7.6
  Top w0.2: J4.11 34.62,58.65 arc(34.64,58.56) 34.69,58.48 U1.31
Net-(J4-Pin_12): length 7.6
  Top w0.2: J4.12 32.08,58.65 arc(32.1,58.56) 32.15,58.48 U1.32
Net-(J4-Pin_15): length 7.6
  Top w0.2: J4.15 24.46,58.65 arc(24.48,58.56) 24.53,58.48 U1.35
Net-(J4-Pin_17): length 7.6
  Top w0.2: J4.17 19.38,58.65 arc(19.4,58.56) 19.45,58.48 U1.37
Net-(J4-Pin_20): length 7.6
  Top w0.2: U1.40 11.9,65.67 arc(11.89,65.76) 11.83,65.84 J4.20
Net-(J6-Pin_1): length 59.3
  Top w0.2: 67.04,46.98 66.72,46.98 ; 67.04,46.98 68.38,46.98 arc(69.76,47.25) 70.94,48.04 74.31,51.41 arc(76.07,52.59) 78.15,53 J6.1 ; 67.04,46.98 66.72,46.98 ; 66.72,46.98 U1.41 ; 66.72,46.98 arc(66.57,46.95) 66.44,46.86 61.81,42.23 arc(61.45,41.99) 61.02,41.9 51.32,41.9 arc(50.04,42.16) 48.95,42.89 U1.41
Net-(J6-Pin_3): length 66.3
  Top w0.2: 72.92,55 67.24,55 arc(66.94,55.06) 66.69,55.23 65.63,56.29 arc(64.71,56.9) 63.63,57.12 45.04,57.12 arc(43.77,56.87) 42.7,56.15 U1.43 ; 72.92,55 73.08,55 ; 72.92,55 73.08,55 ; 72.92,55 arc(72.85,54.99) 72.79,54.94 69.91,52.07 ; 69.88,52.06 U1.43 ; 69.88,52.06 arc(69.9,52.06) 69.91,52.07 ; 69.88,52.06 arc(69.9,52.05) 69.91,52.04 ; 73.08,55 88.09,55 arc(89.39,54.74) 90.5,54 J6.3 ; 69.89,52.03 69.91,52.03 arc(69.92,52.03) 69.91,52.04 69.91,52.04 ; 69.91,52.07 arc(69.91,52.06) 69.91,52.04
Net-(J7-Pin_1): length 26.7
  Top w0.2: U1.56 17.92,52.63 arc(16.15,53.81) 14.07,54.23 10.21,54.23 arc(8.12,54.64) 6.36,55.82 4.19,57.99 arc(3.59,58.89) 3.38,59.94 J7.1
Net-(JP1-A): length 12.7
  Top w0.635: 78.92,31.51 76.04,31.51 arc(75.63,31.59) 75.28,31.82 74.97,32.13 74.97,34.67 ; 80.92,37.21 80.92,32.43 arc(80.99,32.08) 81.19,31.78 80.85,32.12

## Copper pours and planes (outline as drawn; the poured copper is in the pictures)
+12V on Top: 7.44,95.12 87.45,95.12 87.45,70.48 7.44,70.48
GND on Top, Bottom: -0.43,25.27 8.21,25.27 8.21,11.05 -0.43,11.05
GND on Bottom: -1.19,67.56 98.38,67.56 98.38,-10.29 9.98,-10.29 8.21,11.05 8.46,26.54 -0.81,26.54
GND1 on Bottom: 7.44,95.12 87.45,95.12 86.95,70.48 6.94,70.48
V_TEMT on Top: -1.06,67.56 98.5,67.56 98.38,-10.29 9.98,-10.29 8.46,9.52 8.46,26.54 -0.81,26.54
VUSB on Top: 73.99,31.37 72.98,31.37 68.91,35.43 73.99,35.43
Net-(JP1-A) on Top: 74.5,35.43 74.5,31.37 75.26,31.37 77.8,28.83 82.37,28.83 82.37,32.89 81.36,33.65 81.36,37.97 76.79,37.97

## Text on the board
B.Silkscreen: EN | LED_R | SWDCLK | SWDIO | DEBUG | GND | GND_IN | 12V | VOUT | BOOTSEL | S | G | V
F.Silkscreen: LED_R | VREG EN / Pull Up | SWDCLK | SWDIO | TEMT6000 | OUT | GND | VCC | 12V | BOOTSEL
